# Altium PCB pay-ssm-v4-4.PcbDoc (part 4 of 4)
Units mm, origin at the board's own origin, x right, y up, seen from the top; angles counter-clockwise.
Board outline 127 x 55 mm, 6 copper layers (Top Layer, GND1, VCC, 3V3, GND2, Bottom Layer), stack 0.816 mm thick; 300 components, 219 nets, 1041 pads, 682 vias.
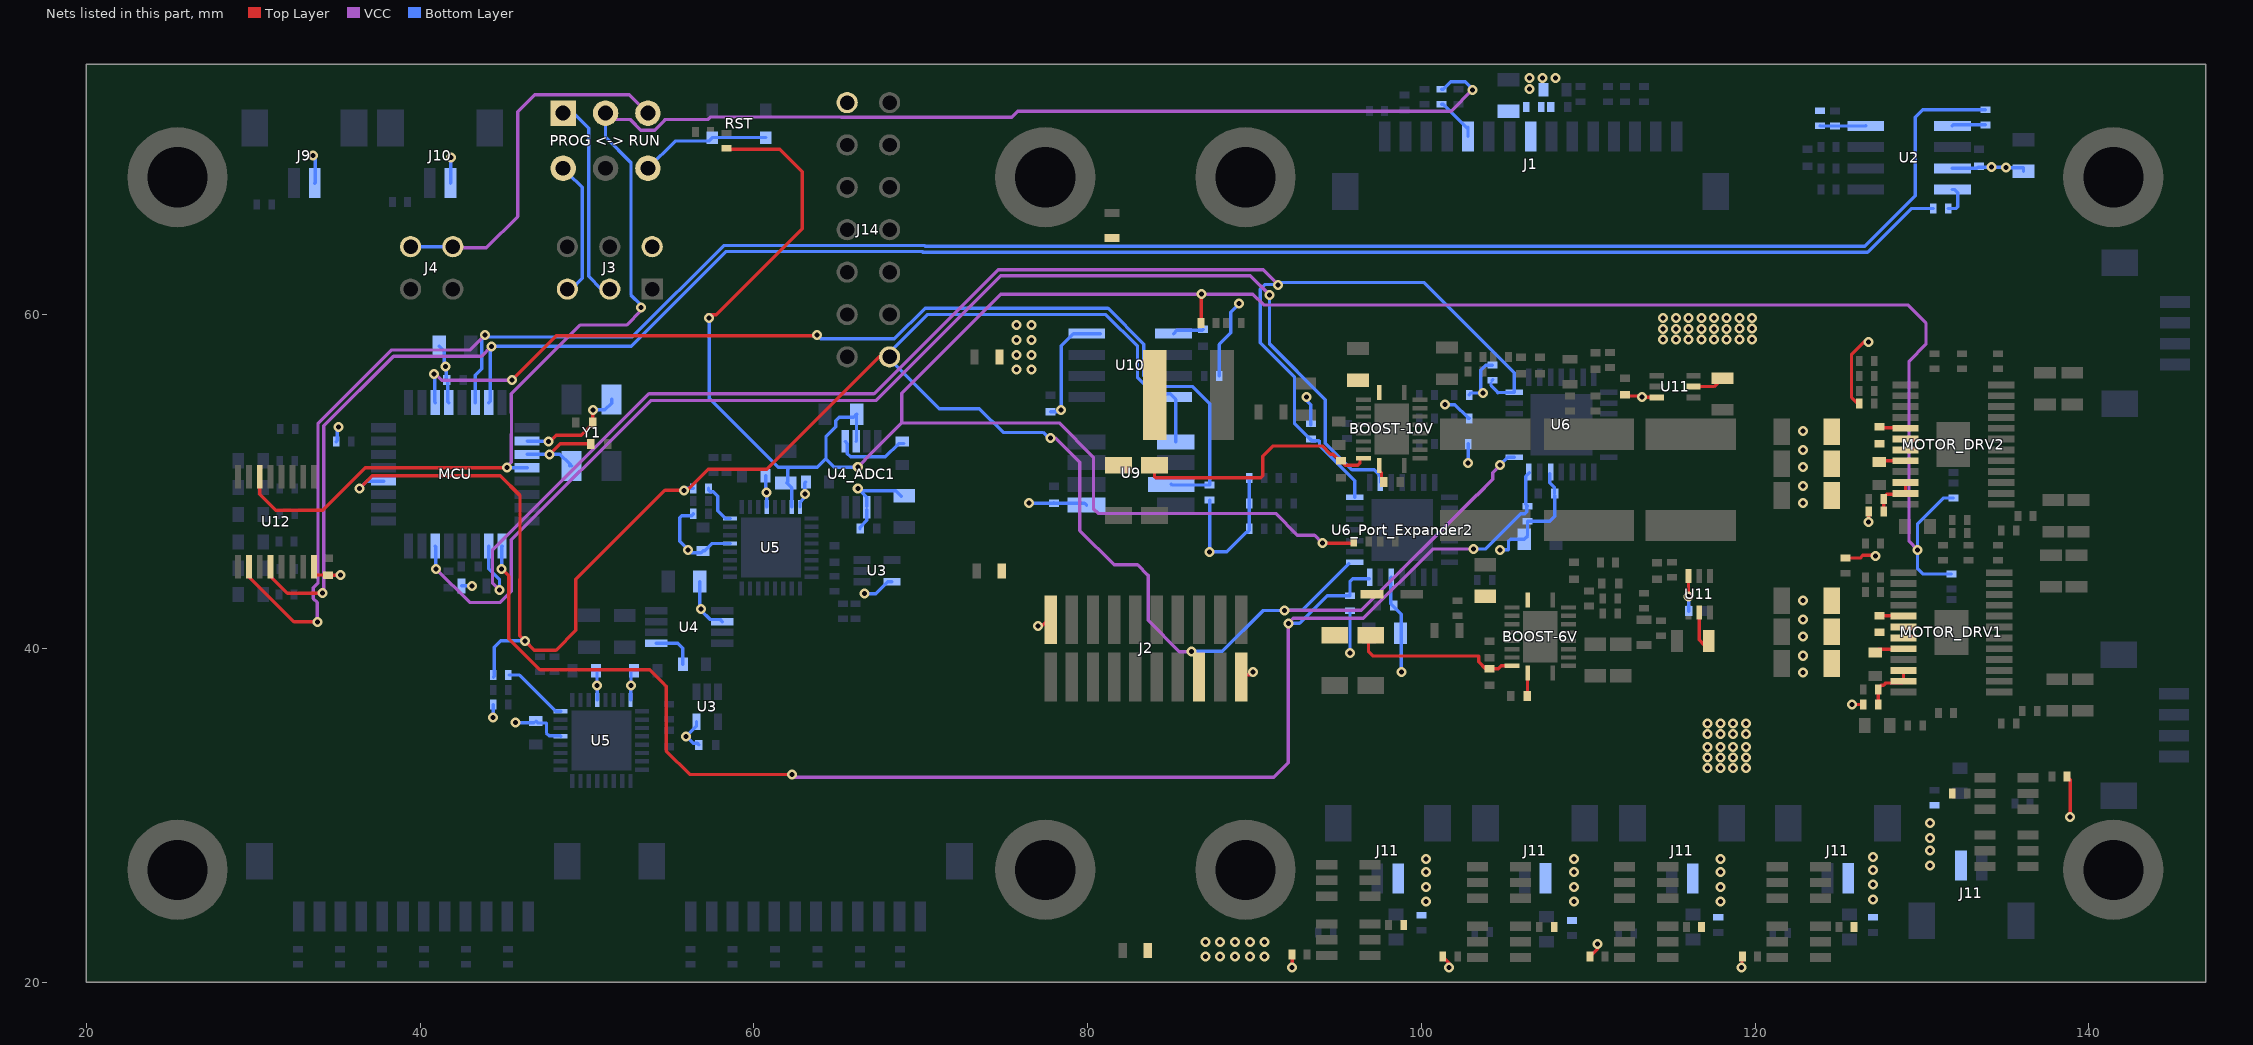
[diagram p8: the nets of this part, all layers, seen from the top]

## Via types
v1: diameter 0.6, hole 0.3, Top Layer to Bottom Layer, tented both sides, 682 vias

## Nets (pads, with @x,y where several pads share a name; then routed paths per layer and width w, separated by ;. In a path a pad name is that pad's centre, name@x,y a point inside that pad or via, vN(x,y) a via of type N, cw(c..) or ccw(c..) an arc to the next point about the centre after c; other vN are vias at no path point) (continued)
PEX2_INTA: MCU.22 U6_Port_Expander2.16 | length 77.2
  VCC w0.2: v1(40.955,44.765) 42.97,42.75 44.801,42.75 45.475,43.424 45.475,46.51 53.815,54.85 67.298,54.85 74.783,62.334 89.748,62.334 v1(90.9,61.182)
  Bottom Layer w0.2: MCU.22@40.916,46.123 40.936,46.103 40.936,44.785 v1(40.955,44.765) ; v1@90.85,61.025 90.872,61.025 90.9,60.997 90.9,58.248 94.25,54.898 94.25,52.3 95.843,50.707 97.17,50.707 97.317,50.56 97.317,50.558 97.55,50.325 U6_Port_Expander2.16@97.55,49.935
PEX_CS: MCU.17 R67.1 U6.7 U6_Port_Expander2.7 | length 92.9
  Top Layer w0.2: v1(44.892,44.765) 45.317,44.34 45.317,40.583 47.187,38.713 53.757,38.713 54.62,37.851 ; 54.675,37.8 54.75,37.725 54.75,33.85 56.154,32.446 v1(62.291,32.446)
  VCC w0.2: v1@62.25,32.45 62.254,32.446 v1(62.291,32.446) 62.462,32.275 91.15,32.275 92.029,33.154 v1(92.029,41.502) 92.327,41.8 96.525,41.8 100.677,45.952 v1(103.13,45.952)
  Bottom Layer w0.2: v1(44.892,44.765) 44.904,44.777 44.904,46.111 MCU.17@44.916,46.123 ; v1@91.975,41.5 91.977,41.502 v1(92.029,41.502) 92.702,41.502 94.35,43.15 R67.1@95.725,43.15 95.725,44.025 95.875,44.175 U6_Port_Expander2.7@96.875,44.175 ; v1(103.13,45.952) 103.838,45.952 105.955,48.069 106.208,48.069 106.325,48.187 R67.1@106.325,48.55 ; R67.1@106.36,48.517 106.25,48.627 106.25,50.3 U6.7@106.475,50.525
PEX_RST: MCU.18 R68.1 U6.14 U6_Port_Expander2.14 | length 95.7
  VCC w0.2: v1(44.765,43.495) 44.34,43.92 44.34,45.89 48.906,50.456 48.923,50.456 53.719,55.252 67.202,55.252 74.637,62.687 90.529,62.687 91.408,61.808 v1(91.408,61.779)
  Bottom Layer w0.2: MCU.18@44.116,46.123 44.116,44.76 44.765,44.111 v1(44.765,43.495) ; 90.348,61.523 90.625,61.8 91.386,61.8 v1(91.408,61.779) 91.554,61.925 100.157,61.925 105.557,56.525 U6.14@105.557,55.351 105.534,55.328 104.597,55.328 104.582,55.343 104.582,55.341 ; 90.375,61.5 90.348,61.473 90.348,58.302 92.4,56.25 92.4,53.45 R68.1@93.3,52.55 ; R68.1@93.337,52.513 R68.1@93.3,52.55 ; R68.1@93.35,52.525 R68.1@93.375,52.5 ; 94.523,51.525 94.523,51.529 93.898,52.154 93.898,52.408 93.855,52.45 93.425,52.45 R68.1@93.375,52.5 ; 94.526,51.526 96.015,50.037 U6_Port_Expander2.14@96.015,49.05 ; R68.1@104.175,55.9 104.175,55.748 104.582,55.341 ; R68.1@104.25,56.075 R68.1@104.285,56.11 ; 104.582,55.306 104.582,55.341 ; R68.1@93.3,52.55 R68.1@93.375,52.55 R68.1@93.375,52.5
PR_CSn: MCU.3 R75.1 U9.3 | length 61.1
  Top Layer w0.2: v1(45.5,56.075) 48.148,58.723 56.829,58.723 56.831,58.725 63.775,58.725 v1(63.775,58.775)
  VCC w0.2: v1@40.8,56.35 40.819,56.369 41.009,56.369 41.303,56.075 v1(45.5,56.075)
  Bottom Layer w0.2: v1(40.828,56.449) 40.872,56.405 40.872,54.767 MCU.3@40.916,54.723 ; v1(63.775,58.775) 64.002,58.548 68.429,58.548 70.267,60.386 81.224,60.386 83.373,58.237 83.373,56.343 84.029,55.687 86.294,55.687 87.31,54.671 R75.1@87.31,49.787 85.054,49.787 U9.3@85.011,49.83
RS: R17.1 R18.2 U2.8 | length 2.7
  Bottom Layer w0.2: R17.1@123.886,71.308 123.891,71.303 124.77,71.303 R18.2@124.775,71.297 126.609,71.297 U2.8@126.62,71.308
RS_IN: R17.2
RST_PROG: "PROG <-> RUN.4" J3.5 | length 8.9
  Bottom Layer w0.2: 48.575,69.403 48.893,69.086 48.893,68.451 49.716,67.627 49.716,62.164 49.081,61.529 J3.5@48.829,61.529
RST_SW: "PROG <-> RUN.6" RST.1 | length 8.4
  Bottom Layer w0.2: 53.274,68.387 53.655,68.768 55.285,70.398 57.304,70.398 RST.1@57.516,70.61 RST.1@60.716,70.61
RX_SW: "PROG <-> RUN.3" J4.1 J4.3 | length 22.2
  VCC w0.2: J4.1@41.925,63.95 41.975,64 43.975,64 45.85,65.875 45.85,72.15 46.875,73.175 52.55,73.175 53.655,72.07
  Bottom Layer w0.2: J4.3@39.45,64 39.519,64.069 J4.1@41.971,64.069
RXCAN: MCU.7 R13.2 U12.12 | length 119.6
  Top Layer w0.2: U12.12@31.049,44.892 31.049,44.384 30.975,44.384 32.055,43.305 v1(34.161,43.305)
  VCC w0.2: v1(34.161,43.305) 34.24,43.384 34.24,53.34 38.409,57.509 43.684,57.509 v1(44.277,58.103)
  Bottom Layer w0.2: MCU.7@44.116,54.723 44.201,54.808 44.201,58.026 v1(44.277,58.103) 44.28,58.1 52.65,58.1 58.335,63.785 70.087,63.785 70.128,63.744 92.8,63.744 92.801,63.745 126.737,63.745 129.347,66.355 R13.2@130.675,66.355
RXD_R: R13.1 U2.4 | length 1.8
  Bottom Layer w0.2: R13.1@131.575,66.355 132.024,66.355 132.141,66.472 132.141,67.298 131.941,67.498 U2.4@131.82,67.498
SCK: J2.16 J14.14 MCU.28 R23.1 U6.8 U6_Port_Expander2.8 U9.1 U10.4 | length 141
  Top Layer w0.2: v1(36.383,49.591) 37.145,50.353 44.797,50.353 45.99,49.16 45.99,44.166 45.975,44.151 45.975,40.761 v1(46.289,40.447) 46.841,39.895 48.15,39.895 49.337,41.082 49.337,44.14 54.676,49.478 v1@55.8,49.478 ; v1@55.999,49.464 57.269,50.734 60.786,50.734 67.517,57.465 J14.14@68.133,57.465 ; v1@86.225,39.775 86.275,39.775 86.675,39.375 J2.16@86.675,38.285
  VCC w0.2: v1(77.775,52.6) 78.1,52.6 78.395,52.305 78.395,52.302 79.534,51.163 79.534,47.06 81.592,45.003 82.995,45.003 83.614,44.384 ; 83.625,44.375 83.625,41.675 85.498,39.802 v1@86.152,39.802 ; v1@86.15,39.8 v1@86.152,39.802 ; v1(86.229,39.802) v1@86.152,39.802 ; v1(91.8,42.275) 96.407,42.275 103.322,49.19 103.34,49.19 104.284,50.134 104.284,50.175 ; 104.277,50.145 104.277,50.519 104.709,50.95 v1(104.709,50.988)
  Bottom Layer w0.2: v1(36.383,49.591) 36.815,50.023 MCU.28@37.816,50.023 ; R23.1@44.4,38.275 44.45,38.325 44.45,40.075 44.822,40.447 v1(46.289,40.447) ; v1(55.814,49.464) 55.814,49.474 55.931,49.591 R23.1@56.38,49.591 ; v1(77.775,52.6) 77.667,52.6 77.329,52.937 74.937,52.937 73.521,54.354 71.118,54.354 68.133,57.338 J14.14@68.133,57.465 68.133,57.753 70.385,60.005 81.087,60.005 82.992,58.1 82.992,56.226 83.966,55.252 84.951,55.252 U10.4@85.151,55.052 85.286,54.917 U9.1@85.286,52.38 ; v1@86.252,39.825 88.075,39.825 90.519,42.269 91.975,42.269 91.981,42.275 92.856,42.275 94.291,43.71 94.291,43.716 U6_Port_Expander2.8@95.65,45.075 ; v1(104.709,50.988) 105.172,51.451 U6.8@105.557,51.451
SCK_A: "PROG <-> RUN.1" J3.3 | length 12.4
  Bottom Layer w0.2: 48.575,72.07 49.21,72.07 50.099,71.181 50.099,62.291 50.861,61.529 J3.3@51.369,61.529
SCK_A/RX: "PROG <-> RUN.2" MCU.12 R5.2 U12.6 | length 102.4
  Top Layer w0.2: U12.6@30.399,50.292 30.399,49.225 31.347,48.277 34.18,48.277 36.716,50.813 45.188,50.813 v1(45.2,50.825)
  VCC w0.2: v1@45.2,50.875 45.475,51.15 45.475,52.849 45.482,52.856 45.469,55.263 49.581,59.375 52.375,59.375 53.253,60.253 v1(53.253,60.428) v1@53.231,60.45 ; 50.861,71.816 51.115,72.07 51.433,72.388 51.433,71.691 52.641,71.691 52.641,71.65 53.235,71.056 54.075,71.056 54.669,71.65 54.669,71.691 57.237,71.691 57.382,71.836 65.207,71.836 65.225,71.818 75.451,71.818 75.822,72.188 101.779,72.188 v1(103.058,73.467)
  Bottom Layer w0.2: v1(45.2,50.825) 45.201,50.824 MCU.12@46.416,50.823 MCU.12@46.416,50.823 ; 51.115,72.07 51.115,70.635 52.641,69.109 52.641,61.17 53.253,60.558 v1(53.253,60.428) ; R5.2@101.209,73.507 101.309,73.507 101.761,73.959 102.629,73.959 103.058,73.53 v1(103.058,73.467)
SCK_A/RX_R: J1.5 R5.1 | length 2.8
  Bottom Layer w0.2: R5.1@101.209,72.607 101.309,72.607 102.745,71.171 102.797,71.223 J1.5@102.797,70.673
SCLK_R_ADC1: R23.2@57.28,49.591 U5.24@58.586,47.785 | length 2.6
  Bottom Layer w0.2: R23.2@57.28,49.591 57.28,49.491 57.38,49.391 57.575,49.391 57.846,49.12 57.846,48.235 58.296,47.785 U5.24@58.586,47.785
SCLK_R_ADC2: R23.2@45.289,38.401 U5.24@48.426,36.228 | length 4
  Bottom Layer w0.2: R23.2@45.35,38.4 45.964,38.4 48.136,36.228 U5.24@48.426,36.228
SS: BOOST-10V.10 C27.2 | length 1.1
  Top Layer w0.2: BOOST-10V.10@97.482,50.962 97.482,50.642 97.607,50.517 97.607,50.097 C27.2@97.732,49.972
SS6: BOOST-6V.10 C49.2 | length 1.4
  Top Layer w0.2: C49.2@106.352,37.145 106.362,37.155 106.362,38.506 BOOST-6V.10@106.372,38.516
TRIM/NR_ADC1: C13.2@68.895,52.388 U4_ADC1.5 | length 4.6
  Bottom Layer w0.2: U4_ADC1.5@65.475,52.4 65.6,52.275 65.6,51.668 65.795,51.473 67.88,51.473 68.682,52.275 C13.2@68.975,52.275
TRIM/NR_ADC2: C13.2@55.749,39.05 U4.5 | length 2.7
  Bottom Layer w0.2: U4.5@54.163,40.305 55.448,40.305 55.749,40.004 C13.2@55.749,39.05
TXCAN: MCU.6 R14.2 U12.10 | length 132.9
  Top Layer w0.2: U12.10@29.749,44.892 29.749,44.287 32.446,41.59 v1(33.843,41.59)
  VCC w0.2: v1(33.843,41.59) 33.843,42.752 33.608,42.987 33.608,43.641 33.887,43.92 33.887,53.486 38.277,57.875 42.985,57.875 v1(43.9,58.79)
  Bottom Layer w0.2: MCU.6@43.316,54.723 43.316,56.363 43.7,56.747 43.7,58.482 43.824,58.605 43.824,58.635 v1@43.8,58.659 ; v1(43.9,58.79) 43.9,58.759 v1@43.8,58.659 ; R14.2@133.792,72.266 130.051,72.266 129.601,71.816 129.601,67.127 126.572,64.097 92.655,64.097 92.655,64.096 70.274,64.096 70.233,64.137 58.189,64.137 52.711,58.659 v1@43.8,58.659
TXD_R: R14.1 U2.1 | length 2
  Bottom Layer w0.2: U2.1@131.82,71.308 131.878,71.366 R14.1@133.792,71.366
VCC2V5_ADC1: C14.2@66.162,54.036 C18.2@61.91,49.911 R36.2 R41.2 R42.2 R43.2 R76.2 U4_ADC1.6 U5.31@62.271,48.47 | length 165.9
  Top Layer w0.2: v1@57.225,60 57.75,60 62.9,65.15 62.9,67.725 62.91,67.735 62.91,68.554 61.554,69.911 R76.2@58.354,69.911 ; R36.2@86.791,59.497 86.808,59.514 86.808,61.217 v1@86.8,61.225 ; v1@94,46.275 94.025,46.3 v1(94.075,46.3) 95.846,46.3 95.946,46.4 R41.2@95.946,46.416
  VCC w0.2: v1(66.228,50.861) 66.683,51.316 ; 66.675,51.325 68.855,53.505 68.855,55.28 74.802,61.227 89.898,61.227 90.547,60.578 129.155,60.578 130.236,59.497 130.236,58.227 129.22,57.211 129.22,46.416 v1(129.728,45.908) ; 68.872,53.505 78.294,53.505 80.35,51.448 80.35,48.375 80.642,48.083 91.267,48.083 92.573,46.777 93.598,46.777 v1(94.075,46.3)
  Bottom Layer w0.2: v1(57.325,59.8) 57.325,54.989 61.453,50.861 62.154,50.861 ; U5.31@62.271,48.47 62.271,49.611 61.971,49.911 62.037,49.977 62.037,50.744 62.154,50.861 ; 64.323,51.373 64.323,52.69 64.914,53.281 64.914,53.639 65.125,53.85 65.976,53.85 C14.2@66.15,54.024 ; U4_ADC1.6@66.125,52.4 66.15,52.425 C14.2@66.15,54.024 ; v1@66.139,50.861 64.831,50.861 64.323,51.369 63.815,50.861 62.154,50.861 ; C14.2@66.162,54.036 C14.2@66.15,54.024 ; R42.2@131.76,44.453 130.075,44.453 129.728,44.8 v1(129.728,45.908) 129.728,47.432 131.31,49.014 R43.2@131.887,49.014
  other v1: 86.825,61.225
VCC3V3: C1.2 C2.2 C7.2 C8.2 C10.2 C12.2 C12_ADC1.2 C15.2 C16.2 C17.2 C41.2 C41_Port_Expander1.2 C41_Port_Expander2.2 C42.1 C43.2 C45.2 C46.2 C53.2 C54.2 J2.1 J2.20 J3.2 J9.1 J10.1 J14.1 L1.1 L4.2 MCU.4 R11.2 R24.2 R48.2 R49.2 R66.2 R66_HEATER2.2 R66_HEATER3.2 R66_HEATER4.2 R66_HEATER5.2 R67.2 R68.2 R69.2 R70.2 R71.2 R75.2 R77.2 U2.3 U3.5 U4.2 U4_ADC1.2 U5.21 U5.28 U5.32 U6.5 U6_Port_Expander2.5 U9.5 U10.8 U11.3 U12.16 | length 111.8
  Top Layer w0.2: U12.16@33.649,44.892 33.649,44.467 33.724,44.392 C46.2@34.478,44.392 34.482,44.388 35.236,44.388 v1(35.24,44.384) ; v1(77.023,41.336) 77.1,41.413 77.34,41.413 77.643,41.715 J2.1@77.785,41.715 ; J2.20@89.343,38.413 89.724,38.413 v1(89.899,38.589) ; R66_HEATER5.2@92.252,21.651 92.258,21.646 92.258,20.894 v1(92.263,20.889) ; R66_HEATER4.2@101.28,21.524 101.661,21.143 v1(101.661,20.889) ; R66_HEATER3.2@110.101,21.524 110.551,21.974 v1(110.551,22.286) ; C45.2@112.202,55.12 113.151,55.12 v1(113.218,55.052) 113.226,55.045 114.1,55.045 U11.3@114.107,55.037 ; U11.3@115.997,44.341 116.005,44.334 116.005,43.122 v1(116.012,43.114) ; v1(119.187,20.889) 119.216,20.918 119.216,21.495 R66_HEATER2.2@119.245,21.524 ; R48.2@125.41,45.411 126.291,45.411 126.451,45.571 127.192,45.571 v1(127.226,45.537) ; v1(125.791,36.637) R49.2@126.484,36.637 ; R48.2@126.23,54.671 126.135,54.671 125.778,55.028 125.778,57.616 126.516,58.354 v1(126.807,58.354) ; v1(126.807,47.559) 126.809,47.561 126.809,48.192 R49.2@126.811,48.194 ; R66.2@138.687,32.319 138.872,32.134 v1(138.872,29.906)
  Bottom Layer w0.2: J9.1@33.696,67.879 33.716,67.899 v1@33.716,69.403 ; R11.2@34.975,52.385 35.044,52.454 35.044,53.205 v1(35.113,53.274) ; C1.2@41.148,58.1 41.448,57.8 41.448,57.099 41.532,57.015 v1(41.532,56.899) 41.565,56.865 41.565,56.101 C2.2@41.598,56.068 41.657,56.009 41.657,54.782 MCU.4@41.716,54.723 ; J10.1@41.824,67.879 41.844,67.899 v1(41.844,69.403) ; L1.1@42.483,43.749 v1(43.106,43.749) ; v1(44.375,35.85) 44.382,35.857 44.382,36.616 R24.2@44.389,36.623 ; v1(45.725,35.55) C16.2@46.825,35.55 ; C16.2@46.95,35.625 47.042,35.533 47.575,35.533 47.575,34.925 47.742,34.758 48.396,34.758 U5.21@48.426,34.728 ; C17.2@50.545,38.669 50.607,38.607 v1(50.607,37.78) 50.609,37.778 50.609,36.915 U5.28@50.611,36.913 ; U5.32@52.611,36.913 52.625,36.927 52.625,37.766 v1(52.639,37.78) 52.639,38.604 C15.2@52.704,38.669 ; R24.2@56.38,48.067 56.38,48.04 56.28,47.94 55.677,47.94 55.56,47.823 55.56,46.416 v1(56.068,45.908) 56.251,45.725 56.839,45.725 C16.2@56.957,45.843 57.057,45.843 57.499,46.285 U5.21@58.586,46.285 ; U3.5@56.561,35.599 56.561,35.334 55.959,34.732 v1(55.941,34.732) 56.365,34.308 56.627,34.308 C10.2@56.711,34.224 ; C12.2@56.764,44.003 56.764,42.418 v1(56.83,42.352) 56.83,42.281 57.381,41.73 57.988,41.73 U4.2@58.113,41.605 ; C15.2@60.705,50.353 60.705,49.399 v1(60.767,49.337) 60.769,49.335 60.769,48.472 U5.28@60.771,48.47 ; U5.32@62.771,48.47 62.771,48.76 62.976,48.965 62.976,49.176 v1(63.053,49.253) 63.053,49.91 C17.2@63.115,49.972 ; v1(66.228,49.591) 66.241,49.591 66.775,49.057 U4_ADC1.2@66.775,48.525 ; C10.2@66.363,47.178 66.363,47.253 66.775,47.665 66.775,48.3 U4_ADC1.2@66.75,48.325 ; v1@66.483,49.444 68.506,49.444 C12_ADC1.2@68.825,49.125 ; v1(66.634,43.282) 67.311,43.282 68.017,43.988 U3.5@68.282,43.988 ; v1(76.475,48.7) C42.1@77.975,48.7 ; C43.2@77.785,54.171 78.301,54.171 v1(78.42,54.29) 78.42,58.131 79.151,58.862 U10.8@79.951,58.862 U10.8@80.751,58.862 ; C42.1@77.975,48.725 78,48.7 79.816,48.7 U9.5@79.936,48.58 U9.5@79.931,48.575 ; v1(87.31,45.781) R75.2@87.31,48.887 ; v1@87.4,45.8 87.419,45.781 88.331,45.781 89.518,46.968 89.584,46.968 89.684,47.068 R71.2@89.684,47.168 R70.2@89.684,48.692 R69.2@89.684,50.216 ; R77.2@87.887,56.322 87.887,58.213 88.577,58.903 88.577,60.151 v1(89.079,60.653) ; v1(93.105,55.053) 93.105,54.87 93.35,54.625 93.375,54.6 R68.2@93.375,53.45 R68.2@93.375,53.4 ; v1(95.725,39.725) R67.2@95.725,42.25 ; U6_Port_Expander2.5@98.2,44.265 98.175,44.24 98.175,42.675 98.8,42.05 C41_Port_Expander2.2@98.8,41.075 ; v1(98.8,38.575) C41_Port_Expander2.2@98.8,41 ; v1(101.405,54.603) 102.009,54.603 102.773,53.839 102.773,53.802 102.793,53.782 R70.2@102.873,53.782 ; v1(102.804,51.115) 102.804,52.247 R71.2@102.815,52.258 ; R69.2@102.873,55.179 102.873,55.206 102.973,55.306 v1(103.693,55.306) ; v1@103.7,55.325 103.55,55.475 103.55,56.675 103.85,56.975 R68.2@104.25,56.975 ; v1(104.709,45.908) 105.217,45.908 105.217,46.416 105.344,46.543 C41_Port_Expander1.2@106.172,46.543 106.36,46.731 R67.2@106.36,47.617 107.692,47.617 108,47.925 108,49.15 C41.2@107.975,49.175 ; U6.5@107.7,50.475 107.7,49.925 107.975,49.65 C41.2@107.975,49.3 ; v1(116.012,43.114) 116.016,43.11 116.016,42.229 C45.2@116.02,42.225 ; U2.3@131.82,68.768 133.284,68.768 133.352,68.836 v1(134.173,68.836) 134.995,68.836 v1(135.028,68.802) 136.078,68.802 C7.2@136.078,68.58
  other v1: 33.589,69.53 106.487,73.507 106.487,74.175 107.249,74.175 108.025,74.175
VCC3V3_IN: C55.2 J1.8 L4.1
VCC_BOOST: BOOST-10V.1 C25.2
VCC_BOOST6: BOOST-6V.1 C47.2
VCC_HEATER: J11.1 R7.2 R65_HEATER1.2 R65_HEATER2.2 R65_HEATER3.2 R65_HEATER4.2 R65_HEATER5.2 R87.2 R96_HEATER1.2 R96_HEATER2.2 R96_HEATER3.2 R96_HEATER4.2 R96_HEATER5.2 U11.5@116.647,42.141 | length 2.4
  Top Layer w0.2: U11.5@116.647,42.141 116.647,40.512 116.966,40.193 117.216,40.443 R87.2@117.216,40.447
  other v1: 87.056,21.524 87.945,21.524 88.834,21.524 89.723,21.524 90.612,21.524 87.056,22.413 87.945,22.413 88.834,22.413 89.723,22.413 90.612,22.413 100.264,24.826 109.154,24.826 117.917,24.826 127.061,24.953 100.264,25.715 109.154,25.715 117.917,25.715 127.061,25.842 100.264,26.604 109.154,26.604 117.917,26.604 127.061,26.731 130.49,26.985 100.264,27.366 109.154,27.366 117.917,27.366 127.061,27.493 130.49,27.874 130.49,28.636 130.49,29.525 117.155,32.827 117.917,32.827 118.679,32.827 119.441,32.827 117.155,33.462 117.917,33.462 118.679,33.462 119.441,33.462 117.155,34.097 117.917,34.097 118.679,34.097 119.441,34.097 117.155,34.859 117.917,34.859 118.679,34.859 119.441,34.859 117.155,35.494 117.917,35.494 118.679,35.494 119.441,35.494
VCC_MOTOR: C36.2 C37.2 C38.2 C39.2 MOTOR_DRV1.18 MOTOR_DRV1.19 MOTOR_DRV2.18 MOTOR_DRV2.19 R3.2 R28.2 U11.5@116.307,55.687 | length 1.9
  Top Layer w0.2: U11.5@116.307,55.687 117.536,55.687 R28.2@118.044,56.195
  other v1: 122.87,38.542 122.87,39.558 122.87,40.701 122.87,41.717 122.87,42.86 122.87,48.702 122.87,49.718 122.87,50.861 122.87,51.877 122.87,53.02 75.753,56.703 76.642,56.703 75.753,57.592 76.642,57.592 75.753,58.481 76.642,58.481 114.488,58.514 115.25,58.514 116.012,58.514 116.774,58.514 117.536,58.514 118.298,58.514 119.06,58.518 119.822,58.518 114.488,59.149 115.25,59.149 116.012,59.149 116.774,59.149 117.536,59.149 118.298,59.149 119.06,59.153 119.822,59.153 75.753,59.37 76.642,59.37 114.488,59.784 115.25,59.784 116.012,59.784 116.774,59.784 117.536,59.784 118.298,59.784 119.06,59.788 119.822,59.788
VCORE_HM: C44.1 U10.1 | length 1.9
  Bottom Layer w0.2: U10.1@85.151,58.862 85.351,59.062 86.883,59.062 C44.1@86.929,59.108
VCP_MOTOR_DRV1: C36.1@127.442,41.963 MOTOR_DRV1.17 | length 1.6
  Top Layer w0.2: C36.1@127.315,41.963 127.332,41.946 128.874,41.946 MOTOR_DRV1.17@128.89,41.93
VCP_MOTOR_DRV2: C36.1@127.442,53.266 MOTOR_DRV2.17 | length 1.6
  Top Layer w0.2: C36.1@127.442,53.266 127.481,53.227 128.968,53.227 MOTOR_DRV2.17@129.006,53.189
VIN_BOOST: BOOST-10V.9 C20.2 C22.2 C23.2 L2.1 R86.1 | length 15.7
  Top Layer w0.2: C23.2@84.008,51.091 84.008,50.291 84.073,50.226 90.381,50.226 90.499,50.343 90.499,51.517 91.112,52.131 94.062,52.131 94.552,51.641 94.731,51.641 95.138,51.234 C20.2@95.184,51.234 95.259,51.234 95.384,51.109 95.384,51.034 95.438,50.98 96.192,50.98 96.327,51.115 96.327,51.367 96.357,51.397 BOOST-10V.9@96.547,51.397
VIN_BOOST6: BOOST-6V.9 C32.2 C33.2 C34.2 L3.1 R37.1 | length 10.5
  Top Layer w0.2: C33.2@96.962,40.931 96.835,40.804 96.835,39.784 97.075,39.544 103.439,39.544 103.439,39.192 103.843,38.788 C32.2@104.074,38.788 104.621,38.788 104.784,38.951 BOOST-6V.9@105.437,38.951
VINT_MOTOR_DRV1: C40.1@127.188,39.75 MOTOR_DRV1.20 | length 1.8
  Top Layer w0.2: C40.1@127.188,39.75 127.388,39.95 128.86,39.95 MOTOR_DRV1.20@128.89,39.98
VINT_MOTOR_DRV2: C40.1@127.442,51.18 MOTOR_DRV2.20 | length 1.6
  Top Layer w0.2: C40.1@127.442,51.18 127.501,51.239 MOTOR_DRV2.20@129.006,51.239
XTAL1: C5.2 MCU.10 Y1.1 | length 6.8
  Top Layer w0.2: v1(47.686,52.385) 47.773,52.385 48.154,52.766 49.65,52.766 50.337,53.453 C5.2@50.337,53.528 50.4,53.592 50.353,53.639 v1(50.353,54.29)
  Bottom Layer w0.2: MCU.10@46.416,52.423 46.435,52.404 47.667,52.404 v1(47.686,52.385) ; v1(50.353,54.29) 51.082,54.29 51.483,54.692 Y1.1@51.483,54.925
XTAL2: C6.2 MCU.11 Y1.3 | length 5.8
  Top Layer w0.2: v1(47.766,51.623) 48.401,52.258 C6.2@50.234,52.258
  Bottom Layer w0.2: MCU.11@46.416,51.623 v1(47.766,51.623) 48.385,51.623 Y1.3@48.956,51.052 ; Y1.3@48.956,50.925 Y1.3@48.956,51.052 ; Y1.3@49.083,50.925 Y1.3@48.956,51.052
xVREF_MOTOR_DRV1: MOTOR_DRV1.22 MOTOR_DRV1.23 R49.1@127.384,36.637 R50.2@127.384,37.526 | length 3.3
  Top Layer w0.2: R49.1@127.384,36.637 R50.2@127.384,37.526 127.384,37.626 127.556,37.798 127.693,37.798 127.82,37.925 128.785,37.925 MOTOR_DRV1.23@128.89,38.03 MOTOR_DRV1.22@128.89,38.68
xVREF_MOTOR_DRV2: MOTOR_DRV2.22 MOTOR_DRV2.23 R49.1@127.711,48.194 R50.2@127.711,48.956 | length 2.9
  Top Layer w0.2: R49.1@127.711,48.194 R50.2@127.711,48.956 127.711,49.056 127.883,49.228 128.945,49.228 MOTOR_DRV2.23@129.006,49.289 MOTOR_DRV2.22@129.006,49.939
pads on no net: BOOST-6V.13 BOOST-10V.13 J1. J5. J6. J9. J10. J11. J12. J13. MOTOR_DRV1.24 MOTOR_DRV2.24 U4.1 U4.3 U4.7 U4.8 U4_ADC1.1 U4_ADC1.3 U4_ADC1.7 U4_ADC1.8 U9.4 U10.6 U10.7

## Polygon pours and split planes (outlines as drawn)
VCC_HEATER on Top Layer "Top Layer-VCC_HEATER" (solid, remove dead copper, pour order 753): 126.426,22.667 127.569,22.667 127.569,28.023 125.664,28.023 125.664,23.81 125.664,22.667
GND on Top Layer "GND_L01_P745" (solid, remove dead copper, pour order 745): 130.744,46.416 130.744,45.146 140.142,45.146 140.142,47.432 135.062,47.432 135.062,46.416
GND on Top Layer "GND_L01_P741" (solid, remove dead copper, pour order 741): 130.363,58.989 130.363,57.211 134.861,57.211 136.549,55.523 140.015,55.523 140.015,58.989
GND on Top Layer "GND_L01_P739" (solid, remove dead copper, pour order 739): 132.522,37.272 130.363,33.97 140.269,33.97 140.523,34.224 140.523,37.17
GND on Top Layer "GND_L01_P699" (solid, remove dead copper, pour order 699): 129.982,44.765 129.982,37.018 133.538,37.018 133.538,44.765
GND on Top Layer "GND_L01_P697" (solid, remove dead copper, pour order 697): 130.109,56.068 130.109,48.321 133.665,48.321 133.665,56.068
GND on Top Layer "GND_L01_P695" (solid, remove dead copper, pour order 695): 103.058,45.644 103.058,39.792 108.35,39.792 108.467,39.675 111.186,41.971 111.313,43.857 117.925,43.857 117.925,45.644
GND on Top Layer "GND_L01_P693" (solid, remove dead copper, pour order 693): 92.136,39.709 92.136,36.764 107.721,36.764 109.027,37.526 109.916,37.526 116.52,37.526 116.52,39.685 92.16,39.685
GND on Top Layer "GND_L01_P691" (solid, remove dead copper, pour order 691): 95.438,58.725 95.438,54.115 97.045,54.115 97.045,51.163 97.21,50.998 100.655,50.998 100.772,51.115 100.772,51.877 100.137,52.512 99.248,52.512 99.248,54.798 100.137,55.687 114.615,55.687 114.615,57.155 113.853,57.155 113.853,58.725
no net on Top Layer "NONET_L01_P689" (solid, remove dead copper, pour order 689): 126.492,62.484
GND on Top Layer "GND_L01_P687" (solid, remove dead copper, pour order 687): 79.436,50.226 79.436,46.035 119.187,46.035 119.187,51.115 95.078,51.115 94.062,52.131 90.381,52.131 90.381,50.226
no net on Top Layer "NONET_L01_P685" (solid, remove dead copper, pour order 685): 115.316,53.975
GND on Top Layer "GND_L01_P679" (solid, remove dead copper, pour order 679): 120.076,54.036 120.076,47.94 122.489,47.94 122.489,54.036
GND on Top Layer "GND_L01_P677" (solid, remove dead copper, pour order 677): 120.076,44.13 120.076,38.034 122.489,38.034 122.489,44.13
+BATT on Top Layer "Top Layer-+BATT" (solid, remove dead copper, pour order 663): 66.99,20.82 82.762,20.82 82.762,23.81 73.999,23.81 73.999,45.781 73.999,65.339 118.171,65.339 118.171,74.626 66.99,74.626 66.99,65.72
VIN_BOOST6 on Top Layer "Top Layer-VIN_BOOST2" (solid, remove dead copper, pour order 531): 92.136,39.709 97.978,39.709 97.978,45.678 74.102,45.678 74.102,43.553 92.136,43.553
GND on Top Layer "GND_L01_P571" (solid, pour order 571): 98.29,20.635 98.29,21.905 95.623,21.905 95.623,20.635
GND on Top Layer "GND_L01_P575" (solid, pour order 575): 97.782,24.166 97.782,25.436 95.115,25.436 95.115,24.166
VCC_HEATER on Top Layer "VCC_HEATER_L01_P541" (solid, pour order 541): 100.576,22.921 98.417,22.921 98.417,23.915 98.036,24.296 98.036,28.15 100.576,28.15
NetD8_HEATER5_2 on Top Layer "NETD8_HEATER5_2_L01_P579" (solid, pour order 579): 97.846,25.461 97.846,28.128 93.147,28.128 93.147,25.461
HEATER_EN_PU_HEATER5 on Top Layer "HEATER_EN_PU_HEATER5_L01_P596" (solid, pour order 596): 98.29,22.159 98.29,23.937 93.21,23.937 93.21,22.159
GND on Top Layer "GND_L01_P570" (solid, pour order 570): 107.318,20.508 107.318,21.778 104.651,21.778 104.651,20.508
GND on Top Layer "GND_L01_P574" (solid, pour order 574): 106.81,24.039 106.81,25.309 104.143,25.309 104.143,24.039
VCC_HEATER on Top Layer "VCC_HEATER_L01_P540" (solid, pour order 540): 109.604,22.794 107.445,22.794 107.445,23.788 107.445,28.023 109.604,28.023
NetD8_HEATER4_2 on Top Layer "NETD8_HEATER4_2_L01_P578" (solid, pour order 578): 106.873,25.334 106.873,28.001 102.174,28.001 102.174,25.334
HEATER_EN_PU_HEATER4 on Top Layer "HEATER_EN_PU_HEATER4_L01_P592" (solid, pour order 592): 107.318,22.032 107.318,23.81 102.238,23.81 102.238,22.032
GND on Top Layer "GND_L01_P569" (solid, pour order 569): 116.139,20.508 116.139,21.778 113.472,21.778 113.472,20.508
GND on Top Layer "GND_L01_P573" (solid, pour order 573): 115.631,24.039 115.631,25.309 112.964,25.309 112.964,24.039
VCC_HEATER on Top Layer "VCC_HEATER_L01_P539" (solid, pour order 539): 118.425,22.794 116.266,22.794 116.266,23.788 116.266,28.023 118.425,28.023
NetD8_HEATER3_2 on Top Layer "NETD8_HEATER3_2_L01_P577" (solid, pour order 577): 115.695,25.461 115.695,28.001 110.996,28.001 110.996,25.461
HEATER_EN_PU_HEATER3 on Top Layer "HEATER_EN_PU_HEATER3_L01_P589" (solid, pour order 589): 116.139,22.032 116.139,23.81 111.059,23.81 111.059,22.032
BOOST6_OUT on Top Layer "Top Layer-BOOST2_OUT" (solid, pour order 557): 108.205,41.209 108.205,39.685 112.583,39.685 116.266,39.685 116.266,41.209
VCC_MOTOR on Top Layer "Top Layer-VCC_MOTOR" (solid, pour order 555): 129.855,51.623 129.855,52.766 127.112,52.766 125.588,54.036 122.489,54.036 122.489,47.94 126.378,47.94 126.632,51.623
VCC_HEATER on Top Layer "VCC_HEATER_L01_P602" (solid, pour order 602): 83.246,23.81 91.675,23.81 91.675,20.762 83.246,20.762
VCC_HEATER on Top Layer "BST-HEATER-out" (solid, pour order 625): 116.52,32.446 119.949,32.446 119.949,41.209 116.52,41.209
AISEN_MOTOR_DRV2 on Top Layer "AISEN_MOTOR_DRV2_L01_P609" (solid, remove dead copper, pour order 609): 133.919,50.988 136.078,50.988 137.348,48.321 140.396,48.321 140.396,51.496 133.792,51.496
BISEN_MOTOR_DRV2 on Top Layer "BISEN_MOTOR_DRV2_L01_P603" (solid, pour order 603): 133.809,53.482 133.809,52.893 140.015,52.893 140.015,55.56 136.476,55.56 135.697,53.482
AISEN_MOTOR_DRV1 on Top Layer "AISEN_MOTOR_DRV1_L01_P534" (solid, remove dead copper, pour order 534): 133.919,39.685 136.141,39.606 137.094,38.416 137.094,37.272 140.523,37.272 140.523,40.193 133.792,40.193
BISEN_MOTOR_DRV1 on Top Layer "BISEN_MOTOR_DRV1_L01_P535" (solid, pour order 535): 134.006,42.237 134.006,41.735 137.271,41.735 138.55,41.735 140.396,41.735 140.396,45.001 136.967,45.001 136.967,43.734 136.168,42.582
BOOST_OUT on Top Layer "Top Layer-BOOST_OUT" (solid, pour order 560): 99.375,52.258 100.391,52.258 100.772,51.877 100.772,51.115 119.187,51.115 119.187,54.798 99.375,54.798
VCC_MOTOR on Top Layer "VCC_MOTOR_L01_P601" (solid, pour order 601): 74.14,61.021 79.347,61.021 79.347,55.179 74.14,55.179
GND on Top Layer "GND_L01_P536" (solid, pour order 536): 74.645,43.495 74.645,34.859 91.79,34.859 91.79,43.495
HEATER_EN_PU_HEATER2 on Top Layer "HEATER_EN_PU_HEATER2_L01_P588" (solid, pour order 588): 125.41,22.032 125.41,23.81 120.203,23.81 120.203,22.032
NetD8_HEATER2_2 on Top Layer "NETD8_HEATER2_2_L01_P576" (solid, pour order 576): 124.839,25.461 124.839,28.001 120.14,28.001 120.14,25.461
GND on Top Layer "GND_L01_P572" (solid, pour order 572): 124.775,24.039 124.775,25.309 122.108,25.309 122.108,24.039
GND on Top Layer "GND_L01_P568" (solid, pour order 568): 125.283,20.508 125.283,21.778 122.616,21.778 122.616,20.508
GND on Top Layer "GND_L01_P567" (solid, pour order 567): 132.395,33.208 132.395,31.811 135.062,31.811 135.062,33.208
GND on Top Layer "GND_L01_P533" (solid, pour order 533): 132.903,29.779 132.903,28.509 135.57,28.509 135.57,29.779
no net on Top Layer "Top Layer-No Net 1" (solid, pour order 566): 113.03,9.779
VCC_HEATER on Top Layer "VCC_HEATER_L01_P565" (solid, pour order 565): 130.04,32.065 132.199,32.065 132.199,29.793 132.58,29.412 132.58,25.715 130.04,25.715
NetD8_HEATER1_2 on Top Layer "NETD8_HEATER1_2_L01_P564" (solid, pour order 564): 132.903,28.382 132.903,25.715 137.602,25.715 137.602,28.382
no net on Top Layer "Top Layer-No Net 2" (solid, pour order 562): 111.506,8.128
HEATER_EN_PU_HEATER1 on Top Layer "heat1-ENPU" (solid, pour order 532): 132.395,31.684 132.395,29.906 137.221,29.906 137.221,31.684
VCC_MOTOR on Top Layer "VCC-motor-10V" (solid, pour order 561): 116.649,57.155 117.38,55.31 120.33,55.31 120.33,60.2 113.853,60.2 113.853,57.155
VIN_BOOST on Top Layer "BST1-in" (solid, pour order 559): 79.436,65.212 79.436,50.226 86.04,50.226 86.04,65.212
VCC_MOTOR on Top Layer "VCC-MOTOR1" (solid, pour order 556): 129.728,40.32 129.728,41.59 126.185,41.59 125.2,44.13 122.489,44.13 122.489,38.034 126.194,38.034 126.352,40.32
IND_BOOST6_SENSE on Top Layer "IND-BST2-SENSE" (solid, pour order 550): 101.699,42.479 102.677,42.479 102.677,41.59 105.979,41.59 105.979,39.812 101.699,39.812
VCC_BOOST6 on Top Layer "VCC_BOOST6_L01_P549" (solid, remove dead copper, pour order 549): 103.058,42.451 106.741,42.451 106.741,43.622 103.058,43.622
IND_BOOST6 on Top Layer "IND-BST2" (solid, pour order 530): 101.534,39.685 101.534,45.654 98.105,45.654 98.105,39.685
VCC_BOOST on Top Layer "VCC_BOOST_L01_P548" (solid, remove dead copper, pour order 548): 95.438,55.027 97.978,54.798 97.978,56.449 95.438,56.449
no net on Top Layer "Top Layer-No Net" (solid, pour order 545): 85.217,53.34
IND_BOOST on Top Layer "IND-BST1" (solid, pour order 544): 90.612,50.226 90.612,58.989 86.294,58.989 86.294,50.226
IND_BOOST_SENSE on Top Layer "IND-BST1-SENSE" (solid, pour order 542): 90.866,55.306 91.882,55.306 93.328,54.342 97.089,54.342 97.089,52.258 96.962,52.258 90.866,52.258
GND on Bottom Layer "GND_L06_P747" (solid, remove dead copper, pour order 747): 38.669,55.433 38.669,47.178 47.559,47.178 47.559,56.087
AOUT2_MOTOR_DRV2 on Bottom Layer "AOUT2_MOTOR_DRV2_L06_P723" (solid, remove dead copper, pour order 723): 140.142,58.608 146.238,58.608 146.238,57.719 142.936,57.719 142.936,56.703 140.142,56.703
BOUT1_MOTOR_DRV2 on Bottom Layer "BOUT1_MOTOR_DRV2_L06_P721" (solid, remove dead copper, pour order 721): 140.142,58.989 146.238,58.989 146.238,59.878 142.936,59.878 142.936,60.894 140.142,60.894
AOUT1_MOTOR_DRV2 on Bottom Layer "AOUT1_MOTOR_DRV2_L06_P719" (solid, remove dead copper, pour order 719): 146.224,57.346 143.176,57.346 143.176,54.933 146.224,54.933
BOUT2_MOTOR_DRV2 on Bottom Layer "BOUT2_MOTOR_DRV2_L06_P717" (solid, remove dead copper, pour order 717): 143.19,60.195 146.238,60.196 146.238,62.609 143.19,62.608
AOUT1_MOTOR_DRV1 on Bottom Layer "AOUT1_MOTOR_DRV1_L06_P711" (solid, remove dead copper, pour order 711): 140.015,35.24 146.111,35.24 146.111,34.351 142.809,34.351 142.809,33.335 140.015,33.335
BOUT2_MOTOR_DRV1 on Bottom Layer "BOUT2_MOTOR_DRV1_L06_P709" (solid, remove dead copper, pour order 709): 140.015,35.621 146.111,35.621 146.111,36.51 142.809,36.51 142.809,37.526 140.015,37.526
VCC3V3 on Bottom Layer "VCC3V3_L06_P553" (solid, remove dead copper, pour order 553): 106.106,74.61 106.106,71.689 108.265,71.689 108.265,74.61
no net on Bottom Layer "NONET_L06_P705" (solid, remove dead copper, pour order 705): 142.748,77.724
VCC3V3_IN on Bottom Layer "VCC3V3_IN_L06_P543" (solid, remove dead copper, pour order 543): 104.455,72.959 104.455,71.689 106.106,71.689 106.106,69.657 106.868,69.657 106.868,72.959
+BATT on Bottom Layer "+BATT_L06_P701" (solid, remove dead copper, pour order 701): 112.202,71.556 112.202,67.625 118.171,67.625 118.171,73.721 115.377,73.721 113.212,71.556
GND on Bottom Layer "GND_L06_P681" (solid, remove dead copper, pour order 681): 99.629,71.689 99.629,65.593 101.915,65.593 101.915,71.689
GND on Bottom Layer "GND_L06_P675" (solid, remove dead copper, pour order 675): 109.916,71.556 109.916,65.466 112.202,65.466 112.202,71.556
GND on Bottom Layer "GND_L06_P673" (solid, remove dead copper, pour order 673): 104.582,71.562 104.582,65.466 106.995,65.466 106.995,71.562
GND on Bottom Layer "GND_L06_P671" (solid, remove dead copper, pour order 671): 57.973,49 57.973,44.003 63.942,44.003 63.942,49
GND on Bottom Layer "GND_L06_P669" (solid, remove dead copper, pour order 669): 47.9,37.35 47.9,31.525 53.8,31.525 53.8,37.35
NetD8_HEATER5_2 on Bottom Layer "NETD8_HEATER5_2_L06_P599" (solid, pour order 599): 97.724,25.334 97.724,28.255 93.128,28.255 93.128,25.334
VCC_HEATER on Bottom Layer "VCC_HEATER_L06_P563" (solid, pour order 563): 100.772,23.683 100.772,28.272 98.105,28.272 98.105,23.683
NetD8_HEATER4_2 on Bottom Layer "NETD8_HEATER4_2_L06_P598" (solid, pour order 598): 106.741,25.334 106.741,28.128 102.423,28.128 102.423,25.334
VCC_HEATER on Bottom Layer "VCC_HEATER_L06_P580" (solid, pour order 580): 109.789,23.429 109.789,28.128 106.995,28.128 106.995,23.429
NetD8_HEATER3_2 on Bottom Layer "NETD8_HEATER3_2_L06_P587" (solid, pour order 587): 115.504,25.334 115.504,28.128 111.186,28.128 111.186,25.334
VCC_HEATER on Bottom Layer "VCC_HEATER_L06_P581" (solid, pour order 581): 118.425,23.556 118.425,28.128 115.758,28.128 115.758,23.556
AOUT2_MOTOR_DRV1 on Bottom Layer "AOUT2_MOTOR_DRV1_L06_P655" (solid, pour order 655): 143.063,31.557 146.111,31.557 146.111,34.034 145.857,34.034 143.063,34.034
BOUT1_MOTOR_DRV1 on Bottom Layer "BOUT1_MOTOR_DRV1_L06_P605" (solid, remove dead copper, pour order 605): 143.063,36.891 146.111,36.891 146.111,39.304 143.063,39.304
GND on Bottom Layer "GND_L06_P653" (solid, pour order 653): 47.306,56.068 47.302,49.972 52.258,49.972 52.258,56.068
VCC_HEATER on Bottom Layer "VCC_HEATER_L06_P558" (solid, pour order 558): 127.696,23.683 127.696,28.128 125.029,28.128 125.029,23.683
NetD8_HEATER2_2 on Bottom Layer "NETD8_HEATER2_2_L06_P585" (solid, pour order 585): 124.775,25.334 124.775,28.128 120.121,28.128 120.121,25.334
VCC_HEATER on Bottom Layer "VCC_HEATER_L06_P583" (solid, pour order 583): 130.109,31.049 130.109,25.715 132.903,25.715 132.903,31.049
NetD8_HEATER1_2 on Bottom Layer "NETD8_HEATER1_2_L06_P582" (solid, pour order 582): 133.157,28.001 133.157,25.715 137.602,25.715 137.602,28.001
BOUT2_MOTOR_DRV2 on VCC "BOUT2_MOTOR_DRV2_L03_P735" (solid, remove dead copper, pour order 735): 135.57,54.163 137.348,54.163 137.348,52.258 133.919,52.258 133.919,63.307 146.365,63.307 146.365,61.021 135.57,61.021
BOUT1_MOTOR_DRV2 on VCC "BOUT1_MOTOR_DRV2_L03_P733" (solid, remove dead copper, pour order 733): 135.57,54.163 137.348,54.163 137.348,58.862 146.365,58.862 146.365,60.894 135.57,60.894
AOUT2_MOTOR_DRV2 on VCC "AOUT2_MOTOR_DRV2_L03_P547" (solid, remove dead copper, pour order 547): 135.824,52.131 135.824,50.607 138.75,50.607 138.75,56.703 146.365,56.703 146.365,58.735 137.348,58.735 137.348,52.131
AOUT1_MOTOR_DRV2 on VCC "AOUT1_MOTOR_DRV2_L03_P731" (solid, remove dead copper, pour order 731): 135.697,50.48 135.697,48.461 140.523,48.461 140.523,53.528 146.365,53.528 146.365,56.576 138.775,56.576 138.775,50.48
AOUT2_MOTOR_DRV1 on VCC "AOUT2_MOTOR_DRV1_L03_P621" (solid, remove dead copper, pour order 621): 137.475,40.955 137.475,39.431 135.57,39.431 135.57,33.335 146.111,33.335 146.111,31.43 133.919,31.43 133.919,40.955
AOUT1_MOTOR_DRV1 on VCC "AOUT1_MOTOR_DRV1_L03_P633" (solid, remove dead copper, pour order 633): 135.57,39.304 137.348,39.304 137.348,35.621 146.111,35.621 146.111,29.779 146.111,33.335 135.57,33.335
VCC_HEATER on VCC "VCC_HEATER_L03_P727" (solid, remove dead copper, pour order 727): 84.643,23.937 84.643,20.635 132.395,20.635 132.395,32.192 119.822,32.192 119.822,36.002 116.52,36.002 116.52,30.922 90.866,30.922 90.866,23.937
VCC_MOTOR on VCC "VCC-VCC_MOTOR" (solid, remove dead copper, pour order 715): 121.092,55.687 121.092,38.034 126.299,38.034 126.299,60.175 74.229,60.175 74.229,55.687
BOUT2_MOTOR_DRV1 on VCC "BOUT2_MOTOR_DRV1_L03_P552" (solid, remove dead copper, pour order 552): 135.189,42.606 135.189,41.209 137.475,41.209 137.475,35.621 146.111,35.621 146.111,37.399 138.872,37.399 138.872,42.606
BOUT1_MOTOR_DRV1 on VCC "BOUT1_MOTOR_DRV1_L03_P713" (solid, remove dead copper, pour order 713): 135.423,42.606 138.704,42.606 138.704,37.456 146.069,37.456 146.069,40.504 140.653,40.504 140.653,44.638 135.423,44.638
VCC3V3 on 3V3 "VCC3V3_L04_P597" (solid, pour order 597): 20,75.118 20,20 147,20 147.127,20.127 147.127,75.118
GND on GND1 "VCC-GND" (solid, pour order 528): 20,20 147,20 147,74.991 147.127,75.118 146.873,75.372 20,75.372
GND on GND2 "GND-3V3" (solid, pour order 529): 20.127,20 147,20 147,74.864 20,74.864

## Silkscreen, mask and mechanical layers (free items; w line width, h text height)
Top Overlay:
  lines w0.254: 88.58,60.767 81.042,60.767 79.944,59.669 79.944,46.931 81.094,45.781 118.933,45.781 ; 98.125,60.767 119.314,60.767 120.076,60.005 120.076,46.924 118.933,45.781 ; 108.9,34.224 93.251,34.224 92.263,35.212 92.263,44.538 93.506,45.781 118.933,45.781 ; 117.85,34.224 119.314,34.224 119.695,34.224 120.076,34.605 120.076,44.638 118.933,45.781
  lines w0.3: 56.068,66.863 55.56,67.371 55.56,68.705 55.56,71.943 56.449,72.832 63.307,72.832 64.323,71.816 64.323,67.498 64.323,67.371 64.323,67.244 63.815,66.736
  text "Ambient / Temp Sense" at 56.025,65.2 h0.75
  text "BATT>BST10V" at 81.087,63.053 h0.75
  text "BOOST-10V" at 89.05,60.225 h1
  text "MOTOR_DRV2" at 127.05,58.5 h0.75
  text "BATT>MOT" at 70.292,58.481 h0.75
  text "BATT>BST6V" at 70.419,45.781 h0.75
  text "EN" at 128.15,45.375 h0.75
  text "SSM-OPTICAL" at 78.6,34.65 h1
  text "MOTOR_DRV1" at 129.175,33.975 h0.75
  text "BOOST-6V" at 109.55,33.5 h1
  text "EN" at 125.8,33.35 h0.75
  text "BATT>HEAT" at 79.944,22.921 h0.75
Bottom Overlay:
  drawing of 27 lines, arcs and shapes, not listed
  text "RST" at 60.175,73.325 h0.75
  text "CAN" at 130.65,72.85 h1
  text "3V3" at 63.434,72.324 h0.75
  text "+BATT" at 73.975,72.324 h0.75
  text "GND" at 63.434,69.784 h0.75
  text "+BATT" at 73.975,69.784 h0.75
  text "CANL" at 63.434,67.371 h0.75
  text "+BATT" at 73.975,67.244 h0.75
  text "RUN <-> PGM" at 55.052,66.609 h0.75
  text "CANH" at 63.434,64.831 h0.75
  text "GND" at 72.324,64.577 h0.75
  text "RX" at 37.018,63.561 h0.75
  text "RX" at 45.781,63.561 h0.75
  text "BOT-SWT2" at 34.7,63.525 h1
  text "EPS-PAY CONN" at 111.675,62.775 h1
  text "GND" at 63.307,62.164 h0.75
  text "BPHASE_MOT2" at 78.42,62.164 h0.75
  text "BOT-SWT1" at 29.725,61.925 h1
  text "MOTOR2" at 137.375,61.375 h1 r90
  text "TX" at 37.018,61.021 h0.75
  text "TX" at 45.781,61.021 h0.75
  text "HUMIDITY" at 85.525,60.175 h0.75
  text "MISO" at 63.434,59.624 h0.75
  text "APHASE_MOT2" at 78.42,59.624 h0.75
  text "UART" at 39.85,58.5 h0.75
  text "PROG" at 52.575,57.5 h0.75
  text "PEX1_ADDR" at 103.4,57.4 h0.75
  text "MOSI" at 63.434,57.084 h0.75
  text "SCK" at 72.451,57.084 h0.75
  text "0" at 100.772,55.941 h0.75
  text "1" at 102.55,55.941 h0.75
  text "MCU-64M1" at 40.65,55.85 h1
  text "A2" at 98.794,54.798 h0.75
  text "A1" at 98.794,53.528 h0.75
  text "A0" at 98.794,52.131 h0.75
  text "RST" at 35.975,50.925 h0.75
  text "1" at 90.35,50.85 h0.75
  text "0" at 92.225,50.85 h0.75
  text "A2" at 94.35,49.95 h0.75
  text "MOSI" at 35.9,49.225 h0.75
  text "A1" at 94.35,48.25 h0.75
  text "SCK" at 35.95,47.625 h0.75
  text "A0" at 94.35,46.6 h0.75
  text "PEX1" at 112.4,46.15 h1
  text "TXCAN" at 37.475,46 h0.75
  text "PRESSURE" at 85.425,45.475 h0.75
  text "PEX2_ADDR" at 94.65,44.825 h0.75
  text "RXCAN" at 37.725,44.1 h0.75
  text "ADC1" at 62.625,41.675 h1
  text "PEX2" at 101.65,38.675 h1
  text "MOTOR1" at 137.375,38.1 h1 r90
  text "EN" at 132.925,33.95 h0.75
  text "HERON MK II / PAY-SSM V4-2" at 81.24,33.578 h0.8
  text "Heater5" at 101.4,33.525 h1
  text "Heater4" at 110.075,33.525 h1
  text "Heater3" at 118.775,33.525 h1
  text "Heater2" at 128.1,33.525 h1
  text "THERMISTORS7-12" at 45.45,31.4 h0.75
  text "THERMISTORS1-6" at 68.575,31.4 h0.75
  text "ADC2" at 53.525,30.2 h1
  text "Heater1" at 135.9,28.55 h1
  text "EN" at 97.3,21.425 h0.75
  text "EN" at 106.275,21.425 h0.75
  text "EN" at 114.825,21.425 h0.75
  text "EN" at 124.2,21.425 h0.75
Route Tool Path:
  lines w0.1: 20,20 147,20 147,40.95 140.65,40.95 140.65,53 147,53 147,75 20,75 20,55.575 20.025,55.55 26.975,55.55 27,55.525 27,40.325 20,40.325 20,20